# KiCad board Rogelio Pineda part 2v1-AMLDC-2044B.kicad_pcb (continued)
## Routing (per net, layer and track width the routed paths; a pad name or vN(x,y) marks a point on that pad's centre or on a via; arc(x,y) is an arc through that point) (continued)
  Top w0.15: 134.47,312.16 133.96,301.87 133.89,300.84 133.73,297.18 133.86,296.81 134.02,296.07 134.23,293.86 133.88,292.21 ; 223.62,150.78 223.77,149.45 223.62,148.19 v1(223.62,146.83) ; v1(285.47,246.4) 285.54,246.4 288.37,243.96 289.08,243.27 290.07,241.74 289.85,238.11 289.63,237.09 289.32,235.61 289,233.62 288.56,229.55 288.47,228.25 288.05,224.73 287.74,222.27 287.66,210.17 287.59,207.13 287.83,176.46 287.59,168.48 287.43,164.1 ; v1(287.58,240.98) 287.5,239.88 286.74,231.52 286.47,227.26 286.22,216.45 286.26,207.89 285.79,136.39 285.79,130.01 285.7,123.1 285.69,119.6 ; v1(223.78,322.32) 223.94,323.28 224.18,324.5 224.37,326.12 224.49,328.72 224.48,330.47 224.48,349.31 224.44,352.34 ; v1(281.65,362.85) 281.65,338.9 v1(281.54,338.78) ; 179.03,119.62 179.15,139.25 179.29,148.47 179.36,150.28 179.54,153.48 179.78,155.21 179.68,162.47 179.57,162.96 179.25,169.77 179.25,170.55 179.18,172.81 179.21,177.62 179.21,178.66 179.25,179.47 179.5,184.4 179.57,185.55 180.04,190.65 180.17,191.97 180.77,197.69 v1(181.02,198.95) ; 139.92,194.73 140.29,196.55 v1(140.67,197.61) ; 290.6,187.17 290.59,188.54 290.62,189.4 v1(291.12,190.91) ; 104.46,156.89 104.43,156.92 v1(104.43,158.17) ; 281.45,239.64 281.76,230.79 282.31,226.25 283.05,219.74 ; v1(179.27,214.31) 179.06,216.05 179.2,216.9 ; 224.44,352.34 224.02,352.77 v1(223.94,352.77) ; 224.44,352.34 224.44,352.42 ; 286.75,280.99 286.31,270.3 286.24,268.65 286.43,266.36 286.76,256.36 287.36,249.66 287.62,247.44 v1(287.75,246.8) ; 255.36,339.2 255.38,339.05 ; 255.38,339.05 255.55,338.17 255.87,329.05 255.86,328.24 255.82,325.86 255.84,321.61 255.58,317.99 255.65,317.56 255.25,314.53 254.82,311.2 254.48,307.01 253.95,300.72 253.82,295.96 253.88,295.27 254.03,290.81 254.15,289.81 254.54,287.55 254.78,286.05 v1(255.29,284.16) ; 255.38,339.05 255.32,339.33 v1(255.29,340.16) ; v1(290.07,193.8) 289.64,193.37 289.37,190.81 289.24,189.87 289.2,184.64 289.51,176.06 289.72,172.19 290.06,169.21 290.53,163.13 290.47,159.73 290.7,141.34 290.65,138.29 290.65,119.7 290.72,119.63 ; v1(289.01,392.22) 289.31,389.83 289.72,385.4 289.68,368.53 289.68,365.12 289.39,359.87 v1(289.12,357.89) ; v1(289.07,281.36) 289.29,283.24 289.48,285.18 289.85,287.07 290.15,291.39 290.11,293.54 290.15,297.04 290.08,297.91 v1(290.09,298.24) ; 212.76,119.89 212.76,125.08 212.4,132.31 212.35,132.36 212.54,132.55 212.54,137.49 212.58,137.54 212.79,152.18 212.93,155.63 ; v1(89.94,267.46) 89.3,267.83 88.9,268.31 88.43,268.84 87.54,270.31 87.65,271.97 87.8,272.48 88.01,273.07 88.36,273.57 88.51,273.83 89.12,274.34 89.4,274.5 92.67,276.23 94.48,277.07 v1(95.94,277.79) ; 210.75,120.42 210.48,119.66 211.01,123.81 211.14,124.98 211.26,126.99 211.35,128.65 211.32,130.75 211.44,134.94 211.31,137.11 v1(211.17,140.29) 211.01,141.55 211.01,148.27 211.06,148.99 211.06,155.6 210.99,157.07 211.08,164.67 211.05,166.42 211.07,172.58 210.99,176.83 211.02,181.96 210.93,182.56 211.01,191.13 211.06,191.38 210.96,196.55 210.93,199.12 210.93,209.18 210.88,209.23 210.88,214.41 210.57,222.08 210.49,250.54 210.48,251.66 210.32,337.08 210.54,338.07 211.07,341.96 v1(211.21,342.75) ; v1(183.59,172.31) 184.14,194.67 183.62,210 183.6,211.15 v1(183.39,214.21) ; v1(172.18,322.87) 172.39,323.86 172.76,324.96 172.79,326.95 172.59,330.57 172.13,333.16 171.7,338.44 171.7,341.87 171.6,343.31 171.84,347.13 172.78,348.77 173.27,349.92 173.39,350.86 173.39,355.97 173.38,357.33 173.26,359.59 173.22,361.16 173.52,364.31 173.8,366.42 173.87,367.56 173.93,369.26 174.15,373.94 174.29,374.98 174.39,377.79 174.54,379.16 174.37,382.97 173.61,387.89 173.38,390.94 173.29,391.84 v1(173.29,394.92) ; v1(102.99,181.05) 103.12,180.12 103.47,176.28 ; v1(102.99,181.05) 103.23,181.29 ; v1(102.99,181.05) 102.79,180.85 ; 138.84,368.83 138.63,367.22 138.35,365.12 137.82,363.32 137.56,358.43 137.64,356.25 137.51,354.61 137.4,334.97 137.29,333.74 137.2,327.37 137.2,326.48 137.12,323.58 136.9,321 136.82,319.46 136.63,315.29 136.59,313.39 136.41,311.54 136.39,310.11 135.97,302.13 135.87,300.74 135.93,298.94 136.31,296.62 136.21,293.74 135.96,292.37 135.75,290.7 135.81,289.41 135.97,282.43 135.97,281.26 135.93,278.52 135.92,277.66 135.97,275.24 136.39,273.1 136.92,269.53 136.91,268.74 137.12,261.83 137.26,260.1 137.52,257.25 137.86,254.98 138.55,248.79 138.63,248.32 139.02,245.44 138.91,243.57 138.25,241.33 137.65,239.72 136.96,237.78 136.45,236.61 136.25,235.6 135.87,234.51 135.49,233.16 135.28,231.55 ; 173.71,326.62 173.75,323.54 173.24,319.16 173.25,317 173.33,316.23 173.65,314.34 173.85,312.69 173.63,310.04 173.4,308.16 172.73,305.01 173.31,301.86 173.55,301.08 173.81,299.04 174.03,297.79 174.07,296.63 174.02,293.82 174.03,293.26 173.8,288.72 173.88,282.66 173.98,274.19 173.98,273.46 174.02,267.3 174.06,266.46 173.94,260.64 173.95,258.52 173.92,255.73 173.97,251.8 173.94,247.6 174.07,244.35 174.07,240.88 174.09,240.54 174.09,235.95 174.07,235.47 174.17,232.22 174.17,218.33 174.15,217.62 174.08,214.41 174.08,203.04 173.88,188.1 173.93,185.18 173.32,177.87 172.97,176.61 172.76,175.44 172.22,173.53 171.9,171.43 171.86,169.86 171.96,164.85 v1(172.26,163.33) ; v1(221.98,282.42) 221.28,283.83 221.23,302.85 221.25,316.02 221.04,326.08 220.91,330.04 220.82,331.01 220.73,334.77 221.14,336.88 220.94,338.43 220.49,339.28 ; 283.37,119.74 283.28,149.72 283.25,176.42 283.44,196.27 283.21,197.08 283.04,198.03 282.85,198.63 282.39,200.82 282.12,201.56 281.61,204.36 v1(281.31,205.17) ; 249.17,157.19 250.06,159.92 250.66,161.86 251.04,165.2 249.82,175.11 250.13,179.27 v1(250.14,180.1) ; v1(82.15,324.86) 82.47,324.86 84.07,327.46 84.97,330.91 86.35,335.62 87.76,339.19 88.17,340.03 90.7,343.73 90.93,343.73 v1(91.07,343.86) ; 172.85,119.51 172.97,119.63 172.97,131.21 172.87,132.15 172.74,138.61 172.76,138.63 172.64,148.58 171.93,150.96 171.55,153.36 171.2,155.35 v1(171.1,156.86) 171.1,157.18 170.31,159.76 170.29,161.63 170.29,162.95 170.59,170.61 170.63,173.27 171.4,177.39 171.89,179.75 172.19,180.95 172.52,182.78 172.8,186.35 172.82,189.32 172.95,191.96 172.94,192.57 ; v1(175.21,347.86) 174.88,346.9 174.85,346.37 174.75,343.12 174.74,336.16 174.71,334.05 174.85,327.87 174.89,324.99 174.76,321.2 174.71,320.37 174.62,319.5 174.4,318.25 174.06,317.57 174.88,315.56 174.74,314.96 174.88,312.12 174.81,311.43 174.58,308.98 174.34,307.77 174.22,306.64 174.09,305.99 174.16,303.31 175.39,298.73 175.32,294.52 175.03,289.86 175.05,288.08 175.7,286.53 176.04,285.34 177.11,283.32 177.14,275.37 177.11,275.34 177.11,267.56 177.07,267.53 177.14,267.22 177.21,266.12 177.21,255 v1(177.31,254.9) ; 253.68,335.89 253.68,336.28 253.73,335.48 254.21,331.71 254.42,330.13 254.45,329.7 254.63,327.59 254.52,326.13 254.54,324.89 254.57,322.16 254.18,317.95 253.89,315.12 253.8,313.41 253.38,306.93 252.95,302.82 252.58,299.37 252.55,298.18 252.36,294.41 252.35,291.5 252.32,283.33 252.33,279.64 252.45,275.91 252.51,275.52 252.72,273.43 253.2,270.22 253.42,269.45 253.52,269.45 v1(254.06,268.91) ; v1(178.86,361.83) 178.72,360.51 178.53,356.26 178.47,355.38 178.09,352.9 177.98,351.43 177.76,349.14 177.8,347.04 178.07,344 178.4,341.56 178.43,341.22 178.62,339.03 178.78,336.22 179.02,333.64 179.37,329 179.33,327.9 179.25,325.55 179.04,323.8 178.72,321.07 178.55,318.97 178.47,318.9 178.47,314.87 178.49,314.31 178.7,311.83 178.88,310.59 179.04,300.72 178.94,300.16 178.84,296.28 178.74,295.46 178.21,290.14 178.08,288.43 178.57,287.03 179.35,285.26 180.12,282.07 180.3,273.11 ; 212.27,194.42 212.17,179.02 212.21,178.97 212.21,171.71 212.26,171.67 212.3,163.72 212.27,162.42 212.47,159.75 212.93,155.46 ; 107.05,193.12 107.5,195.84 107.66,196.62 107.66,197.29 108.15,200.23 108.21,200.82 108.55,201.77 108.7,202.47 v1(108.99,204.45) ; 176.06,147.14 175.86,119.18 175.82,119.14 ; v1(82.28,308.8) 83.43,311.67 84.7,313.87 85.82,316.82 87.25,319.36 88.05,321.11 89.85,323.81 90.52,324.38 90.94,324.73 92.27,326.26 92.99,327.71 93.07,330.15 92.77,331.78 v1(92.28,333.9) ; 91.55,121.52 91.55,121.57 ; 91.55,121.57 92.25,120.73 93.28,119.5 ; 91.55,121.57 90.45,122.8 89.51,123.33 88.19,123.86 86.57,124.12 85.92,124.27 v1(85.3,124.52) ; 103.23,181.29 103.28,181.34 ; 103.23,181.29 103.23,181.36 103.61,182.8 ; v1(182.91,328.41) 182.38,329.36 182.29,331.13 182.35,332.69 182.32,333.99 182.03,342.95 181.97,345.78 181.79,352.51 181.98,358.1 182.21,358.47 182.23,358.7 v1(182.27,359.27) ; v1(251.31,302.01) 251.34,300.65 251.32,299.86 251.27,299.11 251.11,276.61 251.11,271.83 251.04,266.63 251.21,264.56 251.2,263.49 251.16,262 251.32,255.64 251.46,253.94 251.68,250.18 251.8,246.26 252.01,238.46 252.54,231.6 252.57,227.31 252.88,222.6 253.23,216.84 253.33,215.52 253.85,208.9 254.13,205.33 254.44,199.51 254.44,198.71 254.47,190.16 254.45,188.59 254.45,181.4 254.44,180.18 254.56,177.02 254.58,174.3 254.44,172 254.52,169.68 253.97,165.29 v1(253.96,164.12) ; 293.04,111.47 293.01,128.25 292.9,170.7 292.2,184.59 291.95,185.98 292.03,187.44 292.03,188.12 v1(292.41,188.51) ; 172.53,286.51 172.17,282.59 171.66,280.06 171.41,275.01 171.51,272.19 171.68,261.89 171.49,258.6 v1(172.18,256.15) ; v1(158.66,259.87) 159.8,260.38 160.64,260.92 161.05,261.34 161.68,262.13 162.02,263.31 162.03,265.08 162.08,266.27 v1(162.16,269.42) ; v1(308.45,116.09) 308.88,116.99 309.04,118.48 309.39,121.21 309.51,122.75 309.61,123.76 309.7,125.3 309.84,126.82 309.96,129.7 309.96,130.17 309.98,130.66 309.91,135.2 309.91,135.77 309.98,142.79 309.96,142.8 309.99,149.1 310.03,157.48 309.84,158.48 309.63,158.97 309.45,159.24 309.45,159.25 309.28,159.47 308.94,159.79 308.26,160.31 307.49,160.92 v1(307.49,160.92) ; 215.69,273.34 215.58,274.99 214.73,280.38 214.03,283.68 213.58,286.36 213.58,287.53 213.89,322.94 213.94,324.74 213.91,327.01 213.87,328.75 214.06,340.85 214.1,341.57 214.24,342.63 214.19,348.95 214.12,350.23 213.84,353.45 213.85,354.18 213.62,362.74 213.82,363.45 214.48,365.5 214.88,366.45 v1(215.36,367.73) ; v1(249.01,257.44) 248.77,242 248.65,239.2 248.59,224.74 248.65,208 248.43,186.62 v1(248.96,163.48) ; v1(170.86,328.64) 170.86,329.05 170.42,331.2 170.36,331.82 170.23,333.53 170.14,338.11 170.19,338.15 170.19,342.12 170.42,343.89 170.5,346 170.55,347.08 171.08,348.27 172.1,349.9 172.39,352.08 172.06,354.91 171.49,356.3 v1(170.79,356.6) ; 223.88,119.38 223.83,120.06 223.81,120.09 223.81,126.42 223.39,129.24 223.2,130.91 223.08,131.86 222.86,133.15 222.47,136.59 222.03,139.19 221.18,145.43 221.21,147.88 222.52,152.42 222.76,154.22 222.88,156.28 222.84,157.84 222.71,172.23 222.76,172.28 222.62,173.32 222.47,179.49 222.45,181.5 222.11,196.02 222.35,199.54 222.45,203.92 v1(222.58,204.05) ; v1(218.83,336.25) 219.17,334.44 219.6,331.53 219.94,308.42 219.88,305.88 219.91,303.71 219.64,297.73 219.53,296.52 219.16,292.72 219.02,291.72 218.83,289.36 v1(218.87,289.32) 219.38,287.93 219.72,285.95 219.67,272.68 219.3,265.93 218.91,259.72 218.86,258.83 218.4,249.43 218.07,245.68 217.44,236.42 216.95,231.16 216.49,224.59 215.92,221.32 215.04,217.49 214.81,215.56 214.91,201.33 214.95,200.3 215.01,196.89 214.87,195.17 215.05,192.57 215.31,189.27 215.51,187.45 215.5,184.71 ; 181.07,119.5 181.21,119.64 181.31,137.96 181.33,139.27 181.33,145.56 181.75,153.76 181.99,155.11 v1(182.4,155.82) ; v1(217.43,327.87) 217.43,329.51 217.21,330.58 217.04,353.5 217.13,353.59 217.25,359.27 217.25,361.94 217.59,364.8 217.87,366.01 218.04,366.85 218.21,368.96 v1(217.15,371.48) ; v1(141.67,343.89) 140.83,343.71 140.01,342.51 140.05,337.82 140.14,336.71 140.14,320.58 140.09,320.53 139.61,316.61 139.09,314.06 138.99,311.17 138.78,309.3 138.48,306.86 138.1,304.81 137.84,299.71 138.27,296.6 138.27,294.28 137.84,292.79 137.74,287.93 137.87,286.98 138.14,282.28 137.78,279.59 137.66,276.63 138.04,275.12 138.4,273.54 139.03,271.01 139.15,267.85 138.94,264.67 ; v1(142,284.19) 141.76,285.38 141.31,288.77 140.78,289.98 140.66,291.54 140.94,292.96 141.22,294.39 141.62,295.91 141.83,297.43 141.89,299.07 142.04,303.62 141.95,306.22 141.9,307.8 v1(141.74,309.73) ; v1(293.65,186) 293.83,185.31 293.99,184.47 294.29,182.1 294.39,179.56 294.19,152.86 294.13,110.94 ; v1(140.6,155.82) 141.09,156.94 141.29,158.43 141.2,159.2 140.9,167.13 140.59,175.71 140.34,189.2 141.38,191.1 141.71,191.81 142.03,193.25 142.54,196.27 142.27,200.07 141.72,202.69 141.22,205.83 141.4,206.92 141.68,208.71 141.9,209.42 142.1,210.28 142.52,211.65 143.21,213.81 143.81,216.39 144.06,220.42 143.85,269.06 143.81,269.1 143.95,271.93 143.86,275.95 144.3,278.77 143.8,279.6 143.75,281.04 143.86,282.12 143.85,282.07 143.9,284.96 143.87,289.46 143.9,290.51 144.09,291.21 144.34,292.65 143.78,293.21 143.78,294.33 143.77,295.2 143.73,302.36 143.67,303.97 143.67,308.81 143.6,310.36 144.06,312.59 144.23,312.77 143.58,315.13 143.3,319.82 143.17,322.06 v1(143.01,324.97) ; 170.09,177.76 169.52,174.03 169.47,172.69 169.32,171.25 ; v1(288.72,155.38) 289.16,154.94 289.16,154.48 289.27,139.78 288.84,119.35 ; 93.92,318.26 93.92,321.7 94.15,323.27 94.76,325.33 95.34,326.76 95.6,328.06 95.81,328.56 96.07,329.66 96.2,330.12 96.64,332.21 96.71,332.54 96.81,336.13 96.58,338.36 96.29,339.14 95.78,340.49 94.97,342.29 93.94,343.9 92.81,345.08 ; v1(179.71,289.24) 179.86,289.4 179.86,291.46 180.19,292.82 180.3,301.5 180.21,301.58 180.28,301.65 180.44,305.69 180.31,308.19 180.16,311.06 179.42,315.05 179.64,319.84 179.89,320.96 180.02,322.76 180.34,325.86 180.17,329.43 180.21,329.9 180.14,332.11 179.89,335.63 179.52,340.29 179.12,344.33 178.97,345.64 178.97,348.64 179.1,349.56 179.32,350.63 179.59,352.71 179.79,353.7 180.07,355.36 180.12,356.2 180.59,360.62 180.69,361.98 180.88,363.15 v1(181.19,364.33) ; v1(183.59,258.61) 183.59,247.17 v1(183.55,247.13) 183.36,246.94 183.36,218.32 v1(183.55,218.13) ; v1(85.45,143.04) 89.7,143.24 v1(90.48,143.46) ; 105.17,119.36 105.07,119.47 104.91,141.35 104.91,143.45 104.75,153.07 104.65,154.61 104.52,156.83 ; 170.05,177.47 170.8,180.78 171.27,183.18 171.66,186.15 171.71,189.97 171.33,193.11 170.58,195.14 169.64,197.12 169.24,198.71 169.11,201.53 169.11,203.1 168.99,222.64 169.06,222.71 169.06,232.04 169.11,232.39 168.96,253.25 168.93,253.28 168.82,277.03 168.83,278.45 168.79,280.04 169.14,283.94 169.3,284.74 v1(169.61,286.64) 169.44,287.65 168.89,291.03 168.87,300.68 ; v1(141.67,341.62) 141.38,339.8 141.16,335.19 141.09,333.5 141,328.7 141.09,327.55 141.18,320.58 v1(141.6,320.16) 141.29,318.2 140.89,317.02 139.98,312.96 139.83,311 140.09,308.69 140.86,305.56 140.98,300.68 140.75,296.44 140.5,295.27 140.48,295.24 140.4,294.4 139.63,290.69 139.73,287.84 139.99,287.22 139.99,283.31 140,282.72 ; 282.49,264.6 283.49,267.41 283.92,270.31 ; v1(94.56,332.76) 94.34,332.55 94.22,331.18 94.12,330.65 94.11,328.63 93.77,327.18 93.5,326.04 91.99,324.31 91.52,323.81 90.12,322.42 88.91,320.55 88.28,319.07 87.47,317.35 86.89,316.03 86.38,314.65 85.63,312.7 84.98,310.73 84.47,309.27 84.06,307.97 83.32,306.51 v1(82.28,305.67) ; 220.8,203.81 v1(221.18,206.68) ; v1(172.28,221.78) 172.95,219.53 172.94,192.47 ; v1(132.44,375.32) 132.75,373.93 133.52,372.1 134.33,369.22 134.7,367.84 134.89,366.1 135.16,364.8 135.27,354.09 135.44,350.42 135.47,335.18 135.07,329.34 135.16,326.68 134.92,323.94 134.79,318.44 134.74,317.55 134.45,311.86 ; v1(223.82,317.09) 224.06,291.34 v1(223.86,285.53) ; v1(251.56,177.55) 251.75,177 251.79,170.92 251.82,166.75 251.87,166.71 251.72,162.28 251.37,160.62 250.69,158.16 250.19,156.51 249.84,155.13 249.6,153.23 249.93,138.55 249.89,137.49 250.01,128.27 250.08,125.74 250.19,123.68 250.41,122.74 250.63,120.59 250.58,119.43 ; 138.87,368.51 138.47,371.67 137.8,373.49 136.98,376.05 135.81,379.29 134.8,382.94 133.77,385.26 133.33,387.02 132.62,388.83 131.88,390.85 v1(131.51,392.03) ; v1(169.51,362.88) 168.78,362.02 168.24,360.15 168.04,358.76 168.04,357.57 167.89,348.9 167.92,346.49 167.75,335.27 167.81,334.36 167.7,332.32 167.72,330.91 167.73,325.16 167.62,320.77 167.72,302.89 167.75,301.87 167.8,298.72 167.7,294.38 167.81,270.23 167.72,266.43 167.87,260.73 167.89,257.65 167.84,249.14 167.89,242.69 167.89,236.86 167.92,234.95 168.06,205.66 167.93,200.78 168.29,198.21 168.63,196.51 169.74,193.93 170.47,192.5 170.64,185.89 170.31,183.9 169.83,181.89 169.2,179.3 168.9,177.96 168.32,175.24 168.18,173.48 168.01,158.46 168.07,155.64 168.26,153.86 168.88,151.22 169.43,149.74 170.1,148.23 170.45,147.01 170.6,143.4 170.63,142.65 170.63,120.29 170.14,119.8 ; v1(177.78,235.82) 177.78,236.25 177.96,238.05 178.11,240.08 178.33,241.58 178.32,243.67 178.39,245.52 178.45,246.97 178.59,248.96 178.71,252.25 178.95,257.91 178.77,267.86 178.84,273.08 178.84,277.31 178.75,278.16 178.44,282.59 177.83,284.68 177.09,286.67 176.86,288.83 ; 140.04,283.1 139.91,281.76 139.76,280.94 139.68,277.47 139.68,276.88 139.96,275.98 140.53,273.99 140.74,273.79 141.1,272.5 141.12,267.87 140.97,266.92 140.71,264.99 140.74,264.09 140.74,263.91 140.94,262.57 141.1,262.11 v1(142.07,261.26) ; 215.68,273.58 215.91,270.05 215.94,268.62 215.88,256.01 ; v1(223.62,193.83) 223.89,193.18 223.92,192.42 223.79,164.75 223.77,159.71 v1(223.72,150.76) 223.93,150.97 ; 214.42,119.3 213.58,133.97 213.84,148.45 213.91,150.92 213.98,153.53 214.03,154.97 213.62,158.82 213.3,160.95 213.3,167.02 213.26,167.06 213.3,167.1 213.3,176.82 213.44,179.38 213.6,182.21 213.69,183.73 213.8,186.95 213.91,191.6 v1(213.68,221.73) ; v1(183.52,346.34) 183.3,345.72 183.67,343.82 183.99,342.36 184.17,339.66 184.25,339.32 184.29,338.27 184.28,331.15 184.29,329.5 184.34,326.75 184.28,325.76 184.25,325.73 184.25,315.88 184.2,315.53 184.22,313.97 184.28,311.84 184.19,308.15 184.26,306.33 184.26,296.26 184.22,296.22 184.32,296.12 184.22,283.09 184.22,280.94 184.2,277.16 184.17,275.88 184.17,269.57 184.2,269.1 184.07,266.95 183.95,265.65 183.92,264.65 v1(183.62,262.67) ; 106.09,119.31 106.07,119.33 105.94,139.9 105.94,143.64 105.96,143.66 105.96,146.26 106.01,146.31 106.01,151.09 105.99,151.1 105.99,154.68 105.96,154.72 105.92,157.43 105.88,158.13 105.88,160.28 105.88,160.93 105.84,176.9 105.81,177.82 105.94,180 105.97,180.92 106.24,185.8 106.4,186.71 106.37,187.95 106.48,188.69 106.64,189.96 106.87,190.96 106.93,192.5 107.08,193.26 ; 101.03,155.42 101.34,152.18 101.5,151.31 101.83,145.08 101.92,119.34 ; 176.85,288.67 176.9,290.07 177.02,292.96 177.17,295.93 177.09,296.01 177.33,298.02 177.41,306.39 177.53,307.79 177.6,310.76 177.56,310.8 177.56,313.23 177.53,315.45 177.5,319.28 177.6,320.82 ; 101.8,157.23 101.82,158.71 102.38,161.18 103.04,163.36 ; v1(253.81,155.63) 253.71,154.71 253.41,153.47 252.97,147.66 252.93,138.34 253.05,120.99 253.21,119.45 ; v1(133.85,336.4) 133.71,335.57 133.56,334.56 133.63,327.61 133.17,316.61 132.93,310.82 132.78,307.08 132.55,301.88 132.49,299.58 132.41,296.53 133.2,293.03 132.62,290.8 132.49,285.11 132.91,279.24 133.23,272 133.52,269.32 134.07,260.05 134.27,258.21 134.4,253.72 134.49,251.4 134.75,241.25 135.27,240.64 v1(135.65,239.73) ; v1(180.55,346.57) 180.75,343.41 180.81,342.52 181,339.88 181.1,338.92 181.24,327.96 181.16,326.35 181.05,322.69 180.93,320.87 180.49,317.14 180.57,316.18 180.98,313.7 181.4,312.44 181.73,308.81 181.82,307.3 182.1,294.82 182.14,292.66 182.02,289.45 v1(182.27,289.21) ; v1(131.71,327.51) 131.95,325.85 132.04,324.53 132.08,320.34 132.16,314.43 131.89,309.03 131.85,308.37 131.81,307.66 131.62,304.31 131.6,304.17 131.56,300.62 131.51,298.08 131.41,296.07 131.48,295.1 131.84,293.08 131.95,291.58 131.3,289.52 130.62,288.66 v1(130.37,288.07) ; v1(216.39,167.58) 216.46,167.64 216.46,176.97 216.47,180.08 216.63,185.2 216.7,185.87 216.49,189.04 216.52,189.54 216.2,191.65 216.01,194.16 215.89,196.21 216.06,201.54 215.94,204.78 215.88,213.15 ; 180.91,154.88 180.6,166.79 180.35,168.1 180.22,179.69 180.39,180.85 180.73,185.3 180.86,187.09 181.11,188.82 181.35,190.61 181.5,192.15 181.75,193.04 182.01,194.87 182.14,195.51 v1(182.27,196.52) ; 130.75,353.14 130.32,352.49 130.15,348.57 130.32,344.53 130.4,342.17 130.5,335.16 130.35,333.21 130.23,329.61 129.96,328.51 129.7,325.39 129.78,324.74 130.1,323.08 v1(130.3,322.23) ; 130.75,353.14 131.6,353.99 v1(131.71,353.99) ; 130.75,353.14 130.88,353.33 ; v1(286.5,320.82) 286.3,319.3 286.39,310.96 286.66,293.49 286.12,290 285.87,288.16 286.44,284.67 v1(286.44,283.98) ; 255.27,119.57 255.14,119.71 255.12,146.08 254.79,147.77 254.6,148.58 254.48,150.56 254.73,152.22 255.14,153.86 255.57,156.15 255.61,157.88 255.61,159.58 255.48,163.17 255.48,174.86 255.53,176.33 255.51,204.19 255.47,206.03 255.21,213.38 254.87,215.6 254.77,220.06 254.87,222.31 254.87,231.57 v1(255.14,231.84) ; 171.57,119.88 171.57,128.78 171.66,128.87 171.66,137.18 171.61,139.24 171.65,146.6 171.21,148.6 170.91,149.3 169.85,152.48 169.55,153.58 169.09,156.22 169.15,161.06 169.12,162.43 169.15,166.37 169.27,169.55 169.36,171.46 ; v1(142.27,264.47) 142.42,266.79 142.21,272.9 141.81,274.19 141.14,275.89 140.71,277.7 140.87,278.62 141.6,280.89 v1(142.07,281.71) ; 92.62,126.56 93.91,125.55 95.43,124.25 96.37,122.92 97.49,121.46 97.85,119.5 ; v1(100.52,176.21) 100.75,175.01 101.13,172.22 101.23,169.2 101.17,167.45 101.07,166.29 100.9,164.56 100.08,160.96 99.81,158.33 99.76,157.52 99.88,156.43 99.89,156.15 99.99,155.36 100.11,154.05 100.29,152.29 100.33,151.39 100.54,148.6 100.6,147.78 100.66,139.09 100.74,139.01 100.74,119.7 100.78,119.66 ; 102.46,169.04 102.15,164.33 101.71,162.47 100.9,159.43 100.87,156.48 101.05,155.27 ; 256.63,119.31 256.61,131.57 256.38,140.45 256.44,143.36 256.3,145.19 256.26,148.72 v1(256.17,150.58) 256.61,156.07 256.67,214.61 256.59,220.4 v1(256.41,221.79) ; v1(182.24,272.83) 182.24,284.01 v1(182.17,284.07) ; 142.76,151.28 142.9,151.74 143.26,152.94 143.37,154.23 143.54,157.42 143.52,171.46 143.47,174.93 143.59,179.43 143.56,182.36 143.61,185 143.63,185.84 143.63,191.77 143.6,191.81 143.4,202.73 143.16,203.99 v1(143.14,205.3) ; v1(251.51,304.61) 251.85,305.82 252.4,308.38 252.57,311.95 252.71,313.64 252.98,318.77 253.54,324.15 253.46,327.68 252.52,332.13 252.18,338.04 252.18,341.71 252.3,346.03 253.39,350.88 253.03,354.2 251.25,359.37 251.16,369.92 251.21,369.97 251.02,371.45 250.95,377.92 250.9,377.97 250.9,385.71 250.98,387.88 251.4,392.5 251.93,393.83 v1(252.69,394.69) ; 218.5,151.97 218.23,153.1 216.92,159.52 217.37,162.96 217.99,166.7 217.84,178.88 217.89,178.93 217.58,189.35 217.41,191.33 216.91,194.2 216.84,196.45 217,197.79 217.27,200.65 217.58,202.33 217.7,203.75 217.08,207.75 216.96,209.96 217.66,211.3 v1(218.79,213.07) ; v1(82.11,328.05) 82.37,330.35 82.52,331 82.93,333.37 83.41,334.71 84.25,337.29 85.41,339.71 86.96,343.77 87.87,344.97 ; 135.29,295.26 134.93,297.47 134.8,299.37 134.93,300.82 135.07,304.04 135.18,305.73 135.31,309.77 135.43,311.63 135.71,316.54 135.74,318.92 136.04,325.54 136.08,327.89 136.27,331.5 136.33,334.81 136.33,363.29 136.18,363.82 135.78,367.43 135.03,371.47 134.53,374.39 134.54,374.74 133.73,377.8 133,380.23 132.79,381.42 v1(132.64,382) ; 135.29,295.26 135.3,293.87 134.76,291.72 134.7,283.69 134.97,278.51 ; 135.29,295.26 135.29,293.72 ; 142.13,181.97 142.2,169.27 142.25,169.23 142.25,156.3 142.31,155.11 142.27,154.07 142.18,153.4 141.95,152.68 141.49,151.16 140.19,148.19 139.95,147.47 139.73,145.83 139.5,143.83 139.46,135.29 139.48,132.03 139.55,130.91 139.55,119.59 139.46,119.5 ; 142.13,181.97 142.08,185.23 v1(141.94,188.78) ; 142.13,181.97 142.11,181.94 ; v1(287.7,366.61) 286.38,363.65 285.79,362.06 285.1,359.65 284.87,347.83 284.82,346.49 284.82,337.18 284.93,336.88 285.14,334.75 286.43,329.43 287.16,326.02 ; 183.42,119.54 183.79,133.43 183.79,141.47 v1(183.93,141.61) ; 212.97,341.66 213.02,341.36 213.02,344.81 212.42,352.5 212.32,355.82 212.32,357.76 212.51,361.12 212.6,362.51 212.67,363.62 212.9,364.69 213.02,368.09 213,369.53 213.04,373.35 212.9,375 212.79,377.57 212.72,380.74 212.81,384.17 212.88,384.24 212.93,387.46 213.02,388.44 213.32,391.73 v1(213.48,392.43) ; 92.79,126.43 91.67,127.25 89.89,128.67 88.53,129.49 87.34,130.24 v1(85.51,130.88) ; v1(171.03,205.4) 170.72,207.02 170.52,208.17 170.37,209.2 170.17,210.43 170.17,221.5 170.19,223.1 170.49,231.38 170.46,231.41 170.46,237.48 170.21,237.73 170.21,257.32 170.25,257.36 170.11,278.52 171.46,286.21 171.24,287.66 170.86,288.52 170.5,290.17 170.31,291.83 170.16,292.97 170.21,293.02 170.21,306.39 170.15,307.05 170.12,307.54 170.07,315.12 170.07,322.46 170.29,323.85 v1(170.93,325) ; 94.5,119.43 93.32,121.08 92.74,121.79 91.14,123.22 90.41,123.85 89.56,124.49 89.09,124.86 88.3,125.34 87.41,125.94 85.94,126.63 v1(85.16,126.97) ; v1(103.69,361.82) 103.77,360.76 104.34,356.38 104.49,355.43 104.97,353.59 105.36,352 105.72,349.75 105.63,346.81 104.92,343.74 103.82,342.21 103.21,341.28 102.66,340.47 101.42,338.79 101.3,338.59 100.6,337.43 100.27,334.68 99.9,332.45 99.61,329.99 99.37,329.15 98.54,326.18 97.58,323.95 97.1,321.48 97.44,318.99 98.32,317.52 98.65,315.56 98.16,312.05 97.57,310.69 97.4,309.4 97.28,308.59 97.28,306.52 97.85,304.62 99.28,302.42 99.89,301.75 100.91,300.28 101.87,297.86 102.46,294.7 102.5,293.5 102.56,289.64 103.19,286.35 102.94,283.17 102.73,282.27 ; v1(175.45,360.65) 174.88,360.09 174.7,350.84 173.89,349.05 173.13,347.04 172.87,345.5 172.72,344.33 172.72,342.59 172.58,341.1 172.77,336.36 173.22,333.29 173.71,326.49 ; 284.44,120.38 284.44,164.58 284.43,165.02 284.48,165.56 284.48,176.08 284.58,177.72 284.55,182.85 284.58,185.24 284.55,197.86 284.42,198.55 284.02,205.86 283.7,208.98 283.7,214.18 283.11,218.58 283.05,219.89 ; 281.45,239.23 281.45,241.22 281.48,241.24 v1(281.48,243.32) 281.43,244.44 v1(281.65,261.23) 282.53,264.73 ; 176.79,119.14 176.95,119.29 176.95,147.49 176.98,149.92 177.22,152.92 177.47,156.01 177.65,157.39 177.66,158.92 177.21,161.99 176.92,164.77 176.93,169.66 176.96,170.97 177.06,177.77 177.09,180.01 177.3,187 177.32,189.49 177.53,192.2 177.44,192.97 v1(177.71,195.14) ; v1(217.55,286.77) 217.11,287.2 217.11,315.5 217.52,315.91 217.39,316.03 v1(217.39,318.53) ; v1(82.15,315.06) 83.46,316.37 84.25,317.68 85.29,319.82 86.19,321.56 86.91,322.54 87.89,323.93 88.79,324.8 88.82,324.8 89.66,325.9 v1(91.4,327.34) ; 137.58,119.83 137.32,124.18 137.09,129.63 137.01,131.11 136.84,132.79 136.76,133.93 136.52,139.16 136.44,141.03 136.21,146.57 136.12,147.73 136,148.53 135.77,149.43 135.41,151.24 134.46,154.23 134.03,157.44 134.04,159.78 134.04,161.72 134.21,162.83 134.74,166.49 135.18,168.54 135.61,170.52 136.03,171.51 136.29,173.49 136.55,175.11 136.96,179.83 137.04,181.11 137.27,187.39 137.42,188.77 137.53,191.54 137.64,192.08 137.78,195.12 138.04,196.88 138.48,199.85 138.59,201.18 138.99,204.66 139.08,205.82 139.62,209.11 140.19,211.85 140.72,213.85 140.83,214.65 141.08,217.87 141.32,221.66 141.14,224.59 141.08,226.12 140.96,237.98 140.6,238.34 v1(140.6,239.79) ; v1(287.53,152.93) 287.26,153.2 287.44,165.17 ; v1(290.38,264.65) 289.92,265.1 289.82,269.17 289.78,269.93 289.85,271.37 289.86,274.64 289.97,276.13 290.06,276.92 290.2,278.11 290.76,280.98 291.05,282.97 291.49,287.89 291.61,289.27 291.86,292.29 291.87,296.04 291.99,296.91 291.79,298.01 291.04,300.75 290.48,302.75 290.48,303.2 289.88,304.49 289.68,309.28 289.77,312.07 289.75,313.81 289.83,333.24 289.91,335.43 v1(290.26,336.28) ; 87.8,344.87 89.17,346.26 89.62,346.38 90.29,346.44 91.65,346.11 92.85,345.05 ; 221.25,119.74 220.53,131.69 220.48,136.58 220.28,138.74 220.2,140.25 219.7,145.78 218.89,149.39 218.48,152.11 ; 134.96,278.74 134.97,277.52 135.32,272.76 135.45,271.46 135.74,267.88 135.85,266.27 136.24,260.63 136.83,254.84 137.32,246.26 v1(137.46,244.27) ; 99.61,317.48 98.08,320.22 98.5,322.24 99.13,323.83 99.87,325.2 100.35,325.97 v1(100.66,326.82) ; 215.53,184.98 214.92,179.18 214.77,176.41 214.49,170.58 214.44,168.64 214.37,166.81 214.57,161.85 215.23,155.41 215.39,152.14 215.58,150.22 216.17,138.23 216.4,136.05 216.99,122.74 217.36,119.85 ; v1(139.4,302.11) 139.59,301.91 139.59,296.88 139.22,294.03 138.66,290.81 138.71,287.67 139.07,284.66 139.03,283.72 139.03,281.98 138.77,280.6 138.66,276.89 139.16,275.13 139.75,272.91 139.91,271.62 140.03,271.12 140.05,269.56 140.06,267.89 140.1,267.16 139.89,265.43 139.82,263.71 139.99,261.62 140.23,260.53 140.4,259.8 v1(142,257.45) ; 180.92,154.96 180.82,154 180.39,147.93 180.39,146.48 180.3,141.25 180.33,140.61 180.22,135.96 180.28,134.51 180.2,129.65 180.2,119.53 ; 140.61,119.52 140.64,120.44 140.47,124.89 140.64,135.14 140.58,136.57 140.69,146.14 141.35,147.87 141.89,149.45 142.23,150.11 142.85,151.56 ; 103.57,182.45 103.84,185.14 104.23,187.68 104.93,192.07 104.9,193.08 104.83,195.6 104.77,196.56 104.44,199.96 104.32,201.06 103.96,205.21 103.86,206.29 103.76,210.97 104.01,212.13 104.01,212.33 104.36,213.77 104.33,214.36 104.73,215.1 104.94,217.62 105.04,219.21 105.48,221.84 105.52,222.2 105.99,225.46 106.12,226.31 106.61,229 106.81,230.5 107.25,233.33 107.25,233.54 107.45,236.06 107.65,237.76 107.75,239.62 107.74,240.79 107.83,251.8 107.85,252.27 107.54,255.12 107.21,256.1 106.86,257.29 105.2,259.94 103.96,262.2 103.47,264.33 103.59,267.72 103.54,268.53 103.54,278.04 103.49,278.97 103.7,282.56 104.27,284.12 104.27,286.38 104.18,288 103.86,289.06 103.57,290.48 103.56,290.8 103.44,293.54 103.47,293.58 103.32,295.49 103.32,296.12 102.81,298.86 102.55,299.54 101.08,301.89 99.81,303.43 99.31,304 98.25,306.02 98.14,307.18 98.54,308.53 99.05,309.5 99.39,310.29 100.36,312.75 100.84,314.17 100.58,315.51 100.13,316.76 99.48,317.71 ; 139.95,195.02 139.66,192.66 139.33,190.34 139.37,190.3 139.26,185.97 139.17,182.6 138.85,176.42 138.72,175.54 138.49,172.11 ; v1(289.75,211.38) 289.75,211.87 289.78,212.59 289.61,213.53 289.34,216.97 289.35,218.42 289.38,219.2 289.3,225.46 289.7,227.9 289.99,229.08 290.25,230.2 290.59,231.58 291.16,233.17 291.7,235.27 292.49,237.59 292.89,238.87 v1(292.98,240.05) ; 251.66,119.33 251.64,119.89 251.23,149.24 251.27,151.41 v1(251.41,153.08) 252.51,159.4 252.67,162.85 252.65,166.53 253.08,169.41 253.16,177.55 252.84,179.81 252.37,182.16 252.39,183.92 252.55,196.15 v1(252.74,196.33) ; v1(208.73,215.46) 208.54,215.66 208.9,216.35 208.43,290.1 208.42,337.11 208.51,339.94 208.57,341.42 208.63,342.24 209.35,344.01 210.07,345.74 210.54,347.67 210.67,349.27 211.2,353.34 211.26,355.71 211.43,358.46 211.45,360.21 211.82,366.95 211.86,367.76 211.93,367.87 211.93,373.99 211.8,374.83 211.62,382.97 211.68,386.12 211.54,395.64 v1(211.89,395.98) ; v1(96.24,275.09) 96.03,275.09 95.03,274.77 94.4,274.54 93.49,274.31 93.18,274.14 91.86,273.55 91.25,273 90.58,272.33 89.69,271.29 v1(89.69,271.22) ; 177.53,320.49 177.76,322.74 177.8,325.82 177.78,325.78 177.76,328.54 ; v1(82.92,128.85) 83.07,129 86.22,128.85 ; 213.02,341.43 212.72,339.44 212.32,337.68 211.79,333.32 v1(211.77,331.3) 211.81,331.25 211.81,316.73 211.7,295.58 211.65,294.65 211.61,290.41 211.42,288.68 211.58,259.49 211.56,258.26 211.67,250.52 v1(212.05,237.81) ; 215.89,256.2 215.48,248.5 215.45,247.71 215.23,240.87 215.19,239.63 214.96,236.12 214.89,234.86 214.55,230.43 214.42,229 214.12,225.52 v1(213.84,224.16) ; v1(105.87,211.93) 106.32,210.32 106.62,207.66 ; 130.97,183.19 130.99,180.41 130.95,176.46 130.95,172.09 130.91,172.06 130.73,165.39 130.63,160.57 130.59,149.18 130.77,142.71 131.03,140.13 131.07,138.36 131.41,133.32 131.84,130.8 131.9,129.11 132.75,123.96 132.96,122.48 133.21,121.28 133.21,119.44 ; 103.45,176.49 103.52,168.93 103.55,167.88 103.3,164.39 102.96,163.06 ; v1(223.82,265.22) 223.94,267.71 224.13,280.94 223.61,282.11 223.02,283.47 222.4,284.71 222.34,285.94 222.31,285.97 222.31,292.57 222.4,292.67 222.4,299.76 222.28,301.98 222.12,323.21 222.12,324.75 222.28,328.73 222.25,329.92 222.38,330.96 222.4,332.06 v1(222.5,334.01) 222.53,334.04 222.81,337.28 223.02,338.36 222.7,340.96 222.21,343.19 221.14,345.44 220.46,346.54 219.93,347.6 219.84,357.52 219.75,359.02 220.17,366.48 220.28,368.29 220.32,369.64 220.61,370.93 220.33,374.83 v1(220.3,376.23) ; 102.46,168.78 102.33,172.69 102.11,177.47 101.58,178.88 101.24,180.79 101.38,181.9 v1(101.64,182.96) 101.78,183.1 102.07,184.41 102.41,185.39 102.96,187.79 103.18,188.16 103.65,191.11 103.7,191.47 103.66,193.64 103.65,194.16 103.45,196.86 103.42,197.88 103.33,199.39 103.26,199.57 102.94,201.98 102.87,202.98 102.7,205.42 102.69,205.99 102.49,208.26 102.42,209.36 102.44,210.77 102.5,211.83 103.06,213.95 103.53,215.25 103.92,219.22 104,219.73 104.69,223.15 104.86,224.08 105.11,225.82 105.83,229.91 106.22,232.99 106.37,234.22 106.55,237.73 106.62,238.93 106.79,251.92 106.83,252.43 106.57,255.42 104.85,258.85 103.98,260.08 102.8,262.73 102.61,264.01 102.53,264.86 102.51,280.08 102.49,280.18 102.6,281.67 102.76,282.42 ; v1(82.18,318.24) 82.77,319.52 84.05,321.23 84.62,322.17 85.71,323.63 87.31,326.19 87.94,327.79 88.35,329.87 88.67,330.89 89.5,333.41 89.65,333.78 90.17,334.36 91.03,335.44 v1(92.5,336.38) ; v1(91.74,339.32) 90.69,338.15 90.08,337.19 89,335.69 88.51,333.84 87.31,331.41 86.48,329.47 85.62,327.63 84.55,325.48 82.19,321.93 v1(82.19,321.91) ; v1(221.18,154.41) 221.18,154.99 221.62,155.43 221.5,166.55 221.45,167.93 221.43,169.29 221.4,176.19 221.31,177.52 221.23,178.08 221.21,190.71 220.97,191.51 221.11,194.78 221.01,196.58 220.82,203.96 ; v1(219.55,195.27) 219.74,190.23 219.83,188.77 220.18,170.62 220.4,168.99 220.55,161.41 220.35,158.22 219.9,156.91 219.51,155.47 219.61,152.94 v1(219.99,152.42) ; v1(393.57,335.4) 392.71,336.26 391.71,336.62 390.74,337.17 390.34,337.32 389.48,337.72 388.91,337.97 387.72,338.62 387.07,338.77 v1(386.59,338.79) ; 135.3,231.77 135.18,230.54 135.14,228.63 ; v1(222.46,350.33) 222.46,351.38 222.26,352.23 222.19,364.74 222.34,365.46 222.69,367.55 222.97,368.24 v1(223.34,369.41) ; 138.53,119.56 138.55,120.49 138.61,121.16 138.61,122.27 138.49,124.73 138.33,128.55 138.37,128.58 138.2,130.23 138.03,133.84 138.12,137.14 138.2,141.81 138.27,141.88 138.25,141.9 138.25,147.99 v1(138.33,148.07) 138.22,149.94 138.08,151.27 137.87,153.4 137.72,154.43 137.68,156.18 137.66,156.2 137.66,162.98 137.8,165.09 137.94,167.15 138.49,172.71 138.49,172.51 ; v1(218.79,207.96) 218.7,206.59 218.76,205.96 218.64,202.32 217.83,195.88 218.56,190.52 218.73,183.83 218.84,182.51 218.98,168.34 219.02,167.4 218.93,163.97 218.9,163.67 218.81,163.44 v1(218.71,162.15) ; 172.52,286.3 172.58,287.77 172.41,290.23 v1(172.14,293.02) ; 180.32,273.43 180.32,272.84 180.36,265.59 180.26,260.93 180.08,246.62 180.11,244.93 179.94,235.83 180.06,233.94 179.98,225.85 179.77,222.15 179.35,219.44 179.18,216.82 ; 283.91,270.23 284.07,272.29 284.12,274.72 284.12,280.14 284.22,281.69 284.39,286.5 284.46,288.07 284.51,289.45 284.67,289.61 v1(284.67,290.2) ; v1(143.07,328.38) 142.94,328.51 v1(142.94,333.73) ; v1(179.81,201.48) 179.81,201.35 179.28,200.82 179.08,200.2 179.03,199.26 179.13,197.83 179.39,195.66 179.23,194.24 179.18,193.33 178.87,191.9 178.77,189.57 178.51,188.07 178.43,185.03 178.32,183.33 178.12,176.15 178.05,175.13 178.02,168.63 178.33,163.35 178.59,160.78 178.79,158.68 178.67,156.68 178.72,156.63 178.46,154.2 178.12,144.6 178.05,142.01 178.05,138.49 178.04,138.47 177.86,129.81 177.89,119.36 ; 103.06,119.34 103.1,127.2 102.79,147.98 102.75,148.47 102.75,151.17 102.04,155.94 101.8,157.48 ; v1(141.8,244.74) 141.04,249.43 140.57,252.47 139.71,256.85 139.21,259.38 139.03,261.03 138.93,263.75 138.95,264.93 ; v1(175.97,392.28) 175.97,395.98 v1(176,396.02) ; v1(215.6,358.11) 215.88,357.83 215.88,357.1 215.89,354.57 215.74,340.1 215.79,339.38 215.78,336.57 215.81,329.75 215.7,320.49 215.7,308.84 215.71,308.72 215.81,294.65 215.9,293.28 215.75,289.41 215.78,288.04 215.92,284.79 v1(216.39,283.06) ; 220.53,339.19 219.16,342.27 218.92,343.86 218.47,347.88 218.35,349.91 218.35,350.78 218.4,356.6 218.52,357.82 218.55,359.83 218.76,361.16 218.85,363.98 219.12,365.21 219.44,370.12 218.29,375.78 218.37,377.04 219.41,379.13 v1(219.91,380.22) ; 130.98,182.43 130.99,184.24 131.45,187.36 132.06,189.42 133.51,192.1 134.07,193.31 134.82,195.53 135.1,197.12 135.18,226.68 135.1,227.66 135.14,227.63 135.18,228.79 ; 99.65,119.4 99.85,122.65 99.87,136.16 99.59,144.27 99.56,146.29 99.5,150.9 99.42,151.8 99.14,154.09 98.99,154.57 98.78,157.58 98.83,158.14 99.16,161.08 99.6,163.34 99.73,165.14 99.87,165.88 100.21,168.76 99.68,172.63 99.42,173.85 98.73,176.72 99.04,177.41 99.04,177.61 v1(99.78,178.35) ; 249.23,157.56 248.51,153.03 248.88,136.35 248.79,119.11 ; 182.09,119.52 182.07,120.94 182.37,148.35 182.49,149.27 182.51,149.95 182.76,150.9 183,151.9 183.98,153.58 184.22,154.59 184.26,154.63 184.26,156.19 184.04,156.75 v1(183.74,157.46) ; 133.88,292.33 133.81,290.89 133.57,288.52 133.88,281.77 134.16,277.46 134.36,273.79 134.81,268.21 135.16,263.58 135.26,261.22 135.63,257.23 135.85,252.58 135.71,247.56 135.6,245.68 135.71,243.72 136.16,242.56 v1(136.92,241.6) ; v1(293.23,209.88) 293.26,209.92 v1(293.26,229.07) ; 290.61,187.25 290.91,184.29 291.31,178.16 291.59,166.43 291.88,148.18 291.92,137.82 291.98,131.3 292.14,119.36 ; v1(175.14,158.73) 174.78,179.39 174.99,186.37 174.87,193.21 174.99,198.07 175.2,207.83 175.39,229.45 175.49,237.49 175.36,261.23 v1(175.82,261.69) ; v1(142.14,241.53) 142.47,241.07 142.54,238.94 142.24,233.69 142.21,229.14 142.27,228.51 142.49,221.46 142.33,219.08 142.28,217.9 142.06,216.85 141.91,214.62 140.69,209.49 140.18,206.38 139.92,205.38 139.64,203.19 139.52,200.54 139.15,197.2 138.72,192.54 138.27,191.5 138.13,183.7 138.12,181.7 138.01,180.21 137.74,178.29 137.65,176.74 137.27,173.72 136.72,170.04 136.42,168.76 136.26,167.21 136.1,165.82 136.12,165.52 v1(136.12,165.11) ; 176.05,199.26 175.99,197.87 175.93,197.26 175.85,196.13 175.93,193.85 176.03,192.19 176.05,191.76 175.89,180.76 175.97,178.13 175.87,172.03 175.86,170.47 175.86,166.03 175.87,165.5 176.02,163.36 176.09,163.17 176.33,160.71 176.54,159.9 176.46,156.01 176.31,154.5 176.06,146.72 ; 104.16,119.4 104.19,128.74 104.04,138.07 103.87,142.32 103.85,142.63 103.85,143.47 103.87,144.57 103.62,151.62 103.39,153.51 103.18,154.89 102.92,156.09 102.74,158.18 102.92,159.23 103.42,160.99 104.1,163.13 104.61,165 104.64,165.75 104.66,168.17 104.63,169.7 104.73,176.03 104.69,176.85 104.65,178.36 104.72,179.13 104.9,181.78 104.92,182.12 105.01,183.9 105.1,184.86 105.23,186.03 105.33,186.75 105.53,189.78 105.78,190.92 106.29,194.66 106.49,195.52 106.71,197.43 106.77,198.54 106.97,200.24 106.95,201.26 106.8,202.99 106.74,204.02 106.61,207.96 ; 286.74,280.8 287.59,283.06 287.97,284.64 288.38,311.94 288.53,315.6 288.37,321.04 288.16,321.89 287.92,322.49 287.96,322.49 287.5,324.47 287.17,325.91 ; v1(291.63,371.69) 291.84,370.31 291.56,363.98 291.46,357.23 289.62,350.66 v1(287.81,346.37) ; v1(174.88,155.67) 174.88,119.18 174.86,119.16 ; v1(250.28,307.21) 250.45,307.69 250.73,309.58 250.74,309.94 251.02,312.56 251.12,313.58 251.4,316.79 251.51,317.95 251.6,320.57 251.65,320.62 251.65,324.8 251.66,325.84 251.46,328.41 251.41,329.14 v1(251.26,329.87) ; v1(294.04,266.89) 293.76,267.17 v1(293.76,271.23) 294.21,272.57 294.41,274.76 294.37,275.48 294.3,277.55 294.21,279.4 294.22,281.69 294.12,291 294.15,306.43 294.25,310.91 294.22,312.45 294.15,313.51 294.17,316.59 294.01,324.65 293.97,331.3 293.94,331.33 293.94,333.35 v1(293.86,333.43) ; 95.55,119.4 94.54,121.35 93.6,122.75 91.7,125.07 90.26,126.45 88.7,127.63 88.08,128.07 87.59,128.4 86.1,128.86 ; 284.44,119.37 284.48,119.34 ; v1(182.41,270.23) 182.04,268.7 181.73,267.59 181.65,266.88 181.51,265.01 181.51,262.1 181.47,262.06 181.21,213.44 180.94,212.1 180.3,210.28 179.45,208.23 178.6,206.24 177.57,203.63 175.98,199.02 ; 212.27,194.04 212.3,196.79 212.58,198.39 212.54,198.44 212.54,205.79 212.35,207.46 212.03,219.62 212.09,222.62 212.17,226.42 212.5,228.27 213.1,231.42 213.63,236.01 213.89,240.04 213.08,251.72 213.1,273 212.96,273.92 213.14,274.68 v1(213.24,277.95) ; v1(96,281.03) 96.23,281.03 96.59,281.85 97.4,283.5 97.59,284.63 97.59,286.17 97.47,287.9 97.02,289.87 96.81,290.99 94.75,293.65 94.66,293.75 94.66,296.54 94.61,296.58 94.61,298.21 94.66,298.26 94.66,300.3 94.41,301.64 94.19,303.5 93.81,305.07 93.68,305.75 93.73,305.79 93.73,307.75 93.77,307.96 93.88,314.41 93.79,315.81 93.92,318.58 ; v1(220.07,238.01) 219.79,234.99 219.7,234.11 219.09,229.2 218.7,226.39 217.46,220.57 216.75,217.31 215.88,212.79 ; 168.87,300.35 168.67,315.37 168.84,324.66 168.93,339.06 168.93,340.47 169.02,345.38 169.02,347.7 169.92,349.8 170.12,350.27 v1(170.62,351.57) ; v1(253.96,356.84) 254.03,355.95 254.16,355.27 254.16,346.49 v1(254.21,346.44) 253.85,345.2 253.62,343.95 253.49,340.2 253.42,339.05 253.47,338.14 253.69,336.17 ; v1(138.13,214.12) 138.23,212.43 138.16,211.81 137.98,209.28 137.87,207.53 137.78,204.16 137.65,203.3 137.43,201.15 137.32,199.97 136.88,194.01 136.63,192.84 136.45,189.98 136.41,188.41 136.36,186.26 136.28,184.91 136.01,180.01 135.83,178.84 135.43,174.49 135.21,172.97 134.26,168.82 133.91,167.65 133.17,163.88 133.04,162.31 133.17,150.36 133.71,148.28 133.94,147.37 v1(134.65,146.66) 134.79,137.18 134.84,135.15 134.77,133.77 134.96,129.98 135.1,129.33 135.17,128.05 135.41,125.88 136.03,119.96 136.07,119.61
  Top w0.2: 83.24,362.97 v1(83.3,363.03) 84.31,363.12 ; 88.97,363.05 88.96,363.05 v1(88.94,363.07) 88.93,363.05 87.98,363.05 ; v1(82.12,359.16) 92.28,359.16
  Top w0.25: 95.06,289.17 94.9,289.17 v1(94.88,289.15) 92.42,289.48 87.54,289.05 85.89,288.54 v1(86.01,288.54) 86.01,288.66 85.99,288.64 ; v1(92.19,349.08) 92.86,350.64 93.64,353.04 94.6,355.76 95.83,359.21 96.7,362.81 97.44,365.68 v1(98.44,370.7) ; 92.38,370.59 92.33,370.64 v2(92.28,370.64) v2(85.88,370.64) 86.03,370.64 ; 169.58,376.39 v2(169.58,376.34) v2(169.53,382.09) 169.58,382.04 ; v2(137.78,395.99) 137.93,395.09 138.18,393.49 ; v2(134.98,191.34) 135.63,193.24 135.93,194.39 136.43,200.59 136.43,203.29 136.33,214.44 138.63,226.69 138.48,236.44 138.68,239.59 139.28,241.29 139.93,242.74 140.18,244.54 139.83,247.84 139.53,251.09 139.28,251.94 138.53,258.29 138.18,260.14 138.03,268.54 137.98,269.84 137.63,272.49 136.83,276.04 136.98,282.59 136.93,284.99 136.78,287.59 136.83,291.49 137.33,294.99 137.28,296.49 136.93,299.19 136.93,302.74 137.23,306.74 137.58,309.74 138.33,323.44 138.43,325.89 138.83,346.79 138.93,355.89 139.03,361.84 139.78,367.84 139.63,372.39 138.73,377.89 138.53,389.74 138.18,393.49 ; 138.18,393.49 138.18,393.34 ; 85.45,281.01 85.4,281.01 v1(85.4,281.05) 85.5,281.01 87.86,282.13 v1(89.77,283.15) 89.58,282.98 ; 84.31,363.12 87.98,363.05 ; v1(89.15,285.42) 88.52,284.68 86.32,283.58 v1(85.5,283.4) ; v1(85.55,286.03) 88.4,287.56 90.74,287.23 94.88,286.66 v1(94.88,286.6) 94.94,286.6 94.97,286.57 ; v2(92.28,366.74) 92.08,366.94 v2(84.53,366.89) 84.48,366.94 ; v1(82.97,274.95) 84.2,275.41 89.33,279.34 93.7,283.05 v1(94.75,283.89) 94.79,283.79 ; v2(86.53,374.59) 92.23,374.59 v2(92.28,374.54) 92.33,374.49 ; v1(103.64,375.69) 103.12,374.04 101.94,370.35 100.92,366.58 100.57,365.52 100.31,364.41 99.85,362.55 99.24,359.89 v1(98.57,355.47)
  vias: v1(80.97,384.53) v1(98.56,348.98) v1(99.91,319.67) v1(100.05,305.83) v1(102.34,337.57) v1(102.42,323.51) v1(106.2,369.3) v1(106.25,355.39) v1(132.11,366.69) v1(136.99,368.9) v1(177.78,328.54) v1(213.68,187.33) v1(215.28,243.55) v1(290.38,303.14) v1(308.88,380.46) v2(81.33,220.44)
